# Altium PCB DSP_FPGA.PcbDoc (part 2 of 7) (continued)
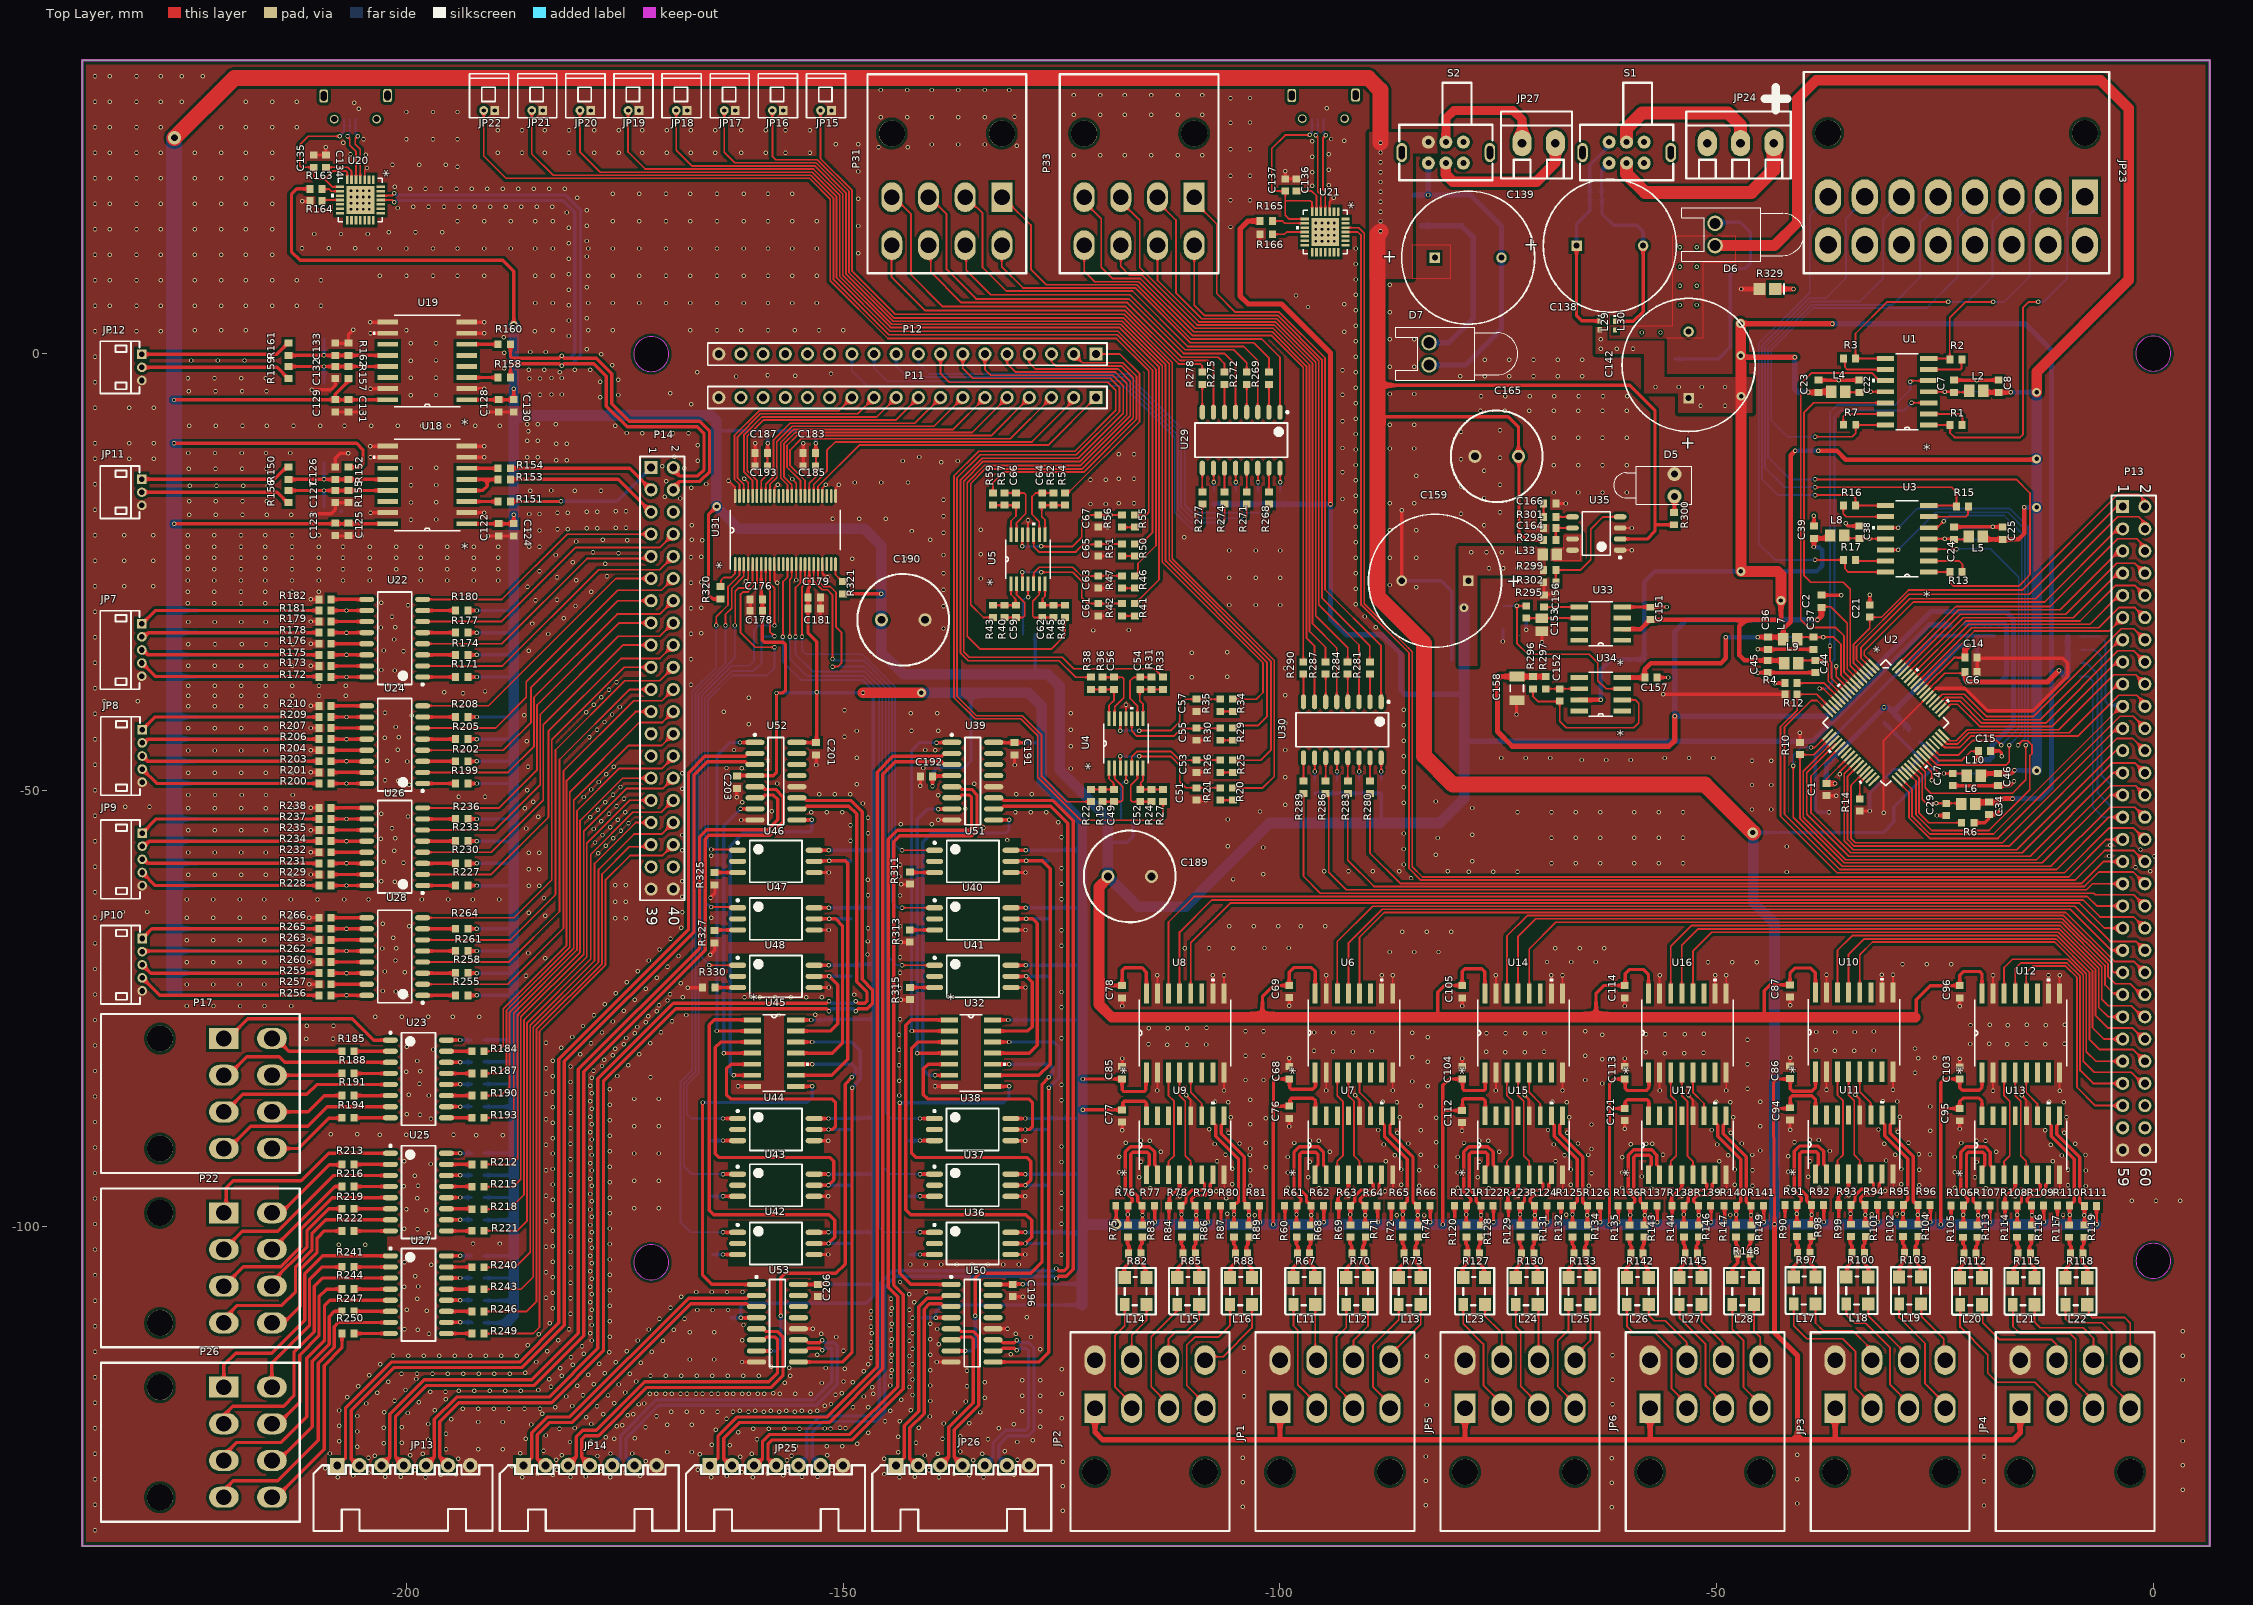
[diagram p0: Top Layer view]
## Nets (pads, with @x,y where several pads share a name; then routed paths per layer and width w, separated by ;. In a path a pad name is that pad's centre, name@x,y a point inside that pad or via, vN(x,y) a via of type N, cw(c..) or ccw(c..) an arc to the next point about the centre after c; other vN are vias at no path point) (continued)
  Bottom Layer w0.61: R276.1@-107.62,-17.235 R273.1@-105.08,-17.235 R270.1@-102.54,-17.235 R267.1@-100,-17.235 v1(-94.221,-17.235) -94.221,-30.328 -92.367,-32.182 -88.354,-32.182 -86.169,-34.366 -86.169,-38.494 -85.669,-38.994 -79.059,-38.994 ; -78.842,-44.374 -38.964,-44.374 -25.64,-31.05 C3.2@-25.179,-31.05 ; C3.2@-25.114,-31.115 L1.1@-23.304,-31.115
  Bottom Layer w1.219: -188.57,-110.973 -187.728,-110.131 -187.728,-108.433 -187.728,-105.816 -187.728,-103.276 -187.728,-78.562 -187.728,-73.584 -187.728,-29.413 v1(-187.728,-18.466) -187.728,-7.214 v1(-187.728,-4.013) v3(-187.728,3.254) ; -187.678,-7.264 -186.775,-7.264 -186.601,-7.091 -165.147,-7.091 -164.567,-7.671 -164.567,-17.462 -161.963,-20.066 -147.574,-20.066 -145.642,-21.998 C190.1@-145.642,-30.48 -145.642,-34.19 -143.116,-36.716 -128.016,-36.716 -126.581,-36.716 -125.235,-38.062 -125.235,-47.683 -119.71,-53.208 -119.71,-55.804 C189.1@-119.71,-59.868 -116.23,-63.348 -110.772,-63.348 -101.171,-53.746 -81.712,-53.746 -78.915,-50.949 -78.915,-38.849 -78.915,-37.022 ; -78.929,-36.906 C163.2@-78.929,-35.057 C161.2@-78.929,-31.721 C160.2@-78.929,-30.307 v3(-78.929,-29.097)
  other v1: -191.977,-65.865 -191.977,-60.912 -191.977,-58.372 -191.977,-55.832 -191.977,-41.608 -191.977,-29.416 -145.656,-27.495 -76.073,-24.587 -74.414,-24.587 -72.754,-24.587 -71.095,-24.587 -78.105,-22.758 -76.352,-22.758 -74.6,-22.758 -72.847,-22.758 -71.095,-22.758
+5V: C16.2 C68.2 C76.1 C77.2 C85.1 C86.2 C94.1 C95.2 C103.1 C104.2 C112.1 C113.2 C121.1 C123.2 C125.2 C129.2 C131.2 C139.1 C140.2 C141.2 C165.1 C168.2 C169.2 C170.2 C171.2 C172.2 C173.2 C174.2 C175.2 C176.1 C177.2 C178.1 C179.1 C180.2 C181.1 C182.2 C184.2 C186.2 C191.2 C192.1 C196.2 C198.1 C201.2 C203.1 C206.1 C207.2 JP1.1 JP2.1 JP3.1 JP4.1 JP5.1 JP6.1 L3.1 R61.2 R62.2 R63.2 R64.2 R65.2 R66.2 R76.2 R77.2 R78.2 R79.2 R80.2 R81.2 R91.2 R92.2 R93.2 R94.2 R95.2 R96.2 R106.2 R107.2 R108.2 R109.2 R110.2 R111.2 R121.2 R122.2 R123.2 R124.2 R125.2 R126.2 R136.2 R137.2 R138.2 R139.2 R140.2 R141.2 R152.2 R157.2 R167.2 R168.2 R169.2 R170.2 R195.2 R196.2 R197.2 R198.2 R223.2 R224.2 R225.2 R226.2 R251.2 R252.2 R253.2 R254.2 R291.1 R298.2 R300.2 R304.1 R306.1 R308.1 R310.1 R312.1 R314.1 R316.1 R318.1 R322.1 R324.1 R326.1 R328.1 S2.3 U6.1 U7.4 U7.16 U8.1 U9.4 U9.16 U10.1 U11.4 U11.16 U12.1 U13.4 U13.16 U14.1 U15.4 U15.16 U16.1 U17.4 U17.16 U18.16 U19.16 U31.7 U31.18 U32.14 U35.2 U36.6 U37.6 U38.6 U39.6 U40.6 U41.6 U42.6 U43.6 U44.6 U45.14 U46.6 U47.6 U48.6 U50.4 U50.16 U51.4 U51.16 U52.4 U52.16 U53.4 U53.16 | length 1808.5
  Top Layer w0.203: -159.392,-25.743 U31.7@-159.392,-24.106 ; -153.892,-25.406 U31.18@-153.892,-24.106 ; C201.2@-153.111,-44.552 C201.2@-153.06,-44.501 ; -88.824,-8.052 -88.015,-7.243 ; C165.1@-72.684,-11.76 C165.1@-72.631,-11.813
  Top Layer w0.254: R157.2@-206.654,-3.124 R157.2@-206.654,-2.873 ; U18.16@-202.159,-19.482 U18.16@-202.133,-19.507 ; C176.1@-159.392,-28.05 C176.1@-159.269,-28.173 ; C178.1@-159.283,-29.457 C178.1@-159.269,-29.443 ; -118.758,-98.704 -118.754,-98.701 ; C77.2@-118.072,-86.587 C77.2@-117.992,-86.507 ; U8.1@-115.354,-82.359 U8.1@-115.303,-82.309 ; -99.991,-124.368 -99.974,-124.384 ; C76.1@-98.895,-86.172 C76.1@-98.84,-86.118 ; -78.805,-124.319 -78.74,-124.384 ; -57.62,-124.371 -57.607,-124.384 ; -36.434,-124.297 -36.347,-124.384
  Top Layer w0.381: v1@-226.695,-5.283 C129.2@-208.178,-5.283 ; v1(-226.644,-10.262) -205.74,-10.262 -205.003,-10.998 -205.003,-12.643 -205.362,-13.002 R152.2@-206.654,-13.002 ; v1(-226.619,-19.482) U18.16@-202.159,-19.482 ; R157.2@-206.654,-3.124 -208.178,-4.648 C129.2@-208.178,-5.283 ; U19.16@-202.159,-5.283 C129.2@-208.178,-5.283 ; C203.1@-162.293,-48.311 -162.166,-48.311 U52.4@-160.032,-48.311 ; v1(-161.734,-110.414) U53.4@-159.994,-110.414 ; U52.4@-160.121,-48.324 -158.027,-48.324 -157.645,-47.942 v1(-157.645,-38.862) -156.921,-38.862 -156.616,-38.557 -156.616,-33.312 -156.892,-33.037 -159.063,-33.037 -159.283,-32.817 v1(-159.283,-30.518) ; C176.1@-159.392,-28.05 -159.392,-25.743 ; v1@-159.283,-30.315 C178.1@-159.283,-29.457 ; C178.1@-159.269,-29.443 C176.1@-159.269,-28.173 ; U45.14@-155.473,-76.289 -155.461,-76.302 v1(-153.657,-76.302) ; U52.16@-155.372,-44.552 C201.2@-153.111,-44.552 ; U53.16@-155.143,-106.578 C206.1@-152.883,-106.578 v1(-151.733,-106.578) ; -153.892,-25.406 -153.892,-26.778 -154.04,-26.925 C179.1@-154.04,-27.927 C181.1@-154.04,-29.197 -154.04,-32.015 -153.06,-32.995 v1(-153.06,-38.773) C201.2@-153.06,-44.501 ; U42.6@-153.372,-100.622 U42.6@-153.346,-100.622 v1(-151.701,-100.622) ; U43.6@-153.372,-93.955 U43.6@-153.346,-93.955 v1(-151.701,-93.955) ; U44.6@-153.372,-87.579 U44.6@-153.346,-87.579 v1(-151.701,-87.579) ; U48.6@-153.346,-70.04 v1(-151.676,-70.04) ; U47.6@-153.346,-63.457 v1(-151.676,-63.457) ; U46.6@-153.346,-56.873 v1(-151.676,-56.873) ; v1(-139.787,-49.524) C192.1@-139.787,-48.412 ; C192.1@-139.725,-48.362 U51.4@-137.465,-48.362 ; v1(-139.395,-110.388) U50.4@-137.655,-110.388 ; U32.14@-132.918,-76.289 -132.905,-76.302 v1(-131.102,-76.302) ; U50.16@-132.855,-106.578 C196.2@-130.594,-106.578 ; U51.16@-132.664,-44.552 C191.2@-130.391,-44.552 v1(-129.254,-44.552) ; U36.6@-130.816,-100.622 v1(-129.146,-100.622) ; U37.6@-130.816,-93.955 v1(-129.146,-93.955) ; U38.6@-130.816,-87.579 v1(-129.146,-87.579) ; U41.6@-130.791,-70.04 v1(-129.121,-70.04) ; U40.6@-130.791,-63.457 v1(-129.121,-63.457) ; U39.6@-130.791,-56.873 v1(-129.121,-56.873) ; C196.2@-130.607,-106.543 v1(-129.457,-106.543) ; v1(-122.582,-86.587) C77.2@-118.072,-86.587 ; v1(-122.58,-83.058) C85.1@-118.072,-83.058 -118.072,-84.315 -117.894,-84.493 -115.532,-84.493 -115.354,-84.315 U8.1@-115.354,-82.359 ; v4(-118.758,-99.72) -118.758,-98.704 ; -118.754,-98.701 R76.2@-118.754,-97.587 ; C77.2@-117.992,-86.507 -117.992,-85.759 -117.843,-85.611 -115.494,-85.611 -115.303,-85.801 U9.16@-115.303,-87.262 ; v1(-114.342,-99.463) R77.2@-114.342,-97.587 ; v1(-112.701,-99.463) R78.2@-112.701,-97.587 ; R78.2@-112.668,-97.549 -112.668,-96.615 -111.493,-95.441 U9.4@-111.493,-94.018 ; v1(-108.253,-99.463) R79.2@-108.253,-97.587 ; v1(-106.758,-99.463) R80.2@-106.758,-97.587 ; v1(-102.31,-99.463) R81.2@-102.31,-97.587 ; v1(-100.774,-99.72) -100.774,-86.208 -100.749,-86.182 ; v1(-99.425,-99.463) R61.2@-99.425,-97.587 ; C76.1@-98.895,-86.172 -100.739,-86.172 -100.749,-86.182 ; C76.1@-98.84,-86.118 -98.84,-85.417 -98.692,-85.268 -96.228,-85.268 -95.923,-85.573 U7.16@-95.923,-87.274 ; U6.1@-95.923,-82.321 -95.923,-83.9 -96.275,-84.252 -98.692,-84.252 -98.895,-84.049 -98.895,-83.054 -100.492,-83.054 -100.749,-83.312 -100.749,-86.182 ; v1(-94.977,-99.463) R62.2@-94.977,-97.587 ; R63.2@-93.339,-97.549 -93.339,-96.615 -92.164,-95.441 U7.4@-92.164,-94.018 ; v1(-93.263,-99.463) R63.2@-93.263,-97.587 ; -88.824,-3.619 -59.957,-3.619 -57.061,-6.515 -57.061,-18.707 ; v1(-88.822,-99.463) R64.2@-88.822,-97.587 ; -88.015,-7.243 -73.885,-7.243 -72.684,-8.444 C165.1@-72.684,-11.76 ; v1(-87.257,-99.463) R65.2@-87.257,-97.587 ; v1(-82.777,-99.463) R66.2@-82.777,-97.587 ; v1(-81.369,-99.72) -81.369,-86.614 ; v1(-79.994,-99.463) R121.2@-79.994,-97.587 ; U15.16@-76.492,-87.274 -76.492,-85.573 -76.746,-85.319 -78.93,-85.319 -79.108,-85.496 -79.108,-86.676 -81.307,-86.676 -81.369,-86.614 ; U14.1@-76.492,-82.321 -76.492,-84.226 -76.644,-84.379 -78.905,-84.379 -79.083,-84.201 -79.083,-83.071 -80.645,-83.071 -81.369,-83.795 -81.369,-86.614 ; v1(-75.546,-99.463) R122.2@-75.546,-97.587 ; R123.2@-73.908,-97.549 -73.908,-96.615 -72.733,-95.441 U15.4@-72.733,-94.018 ; v1(-73.832,-99.463) R123.2@-73.832,-97.587 ; C165.1@-72.631,-11.813 -72.631,-20.434 -71.704,-21.361 R298.2@-69.813,-21.361 ; v1(-69.391,-99.463) R124.2@-69.391,-97.587 ; v1(-67.826,-99.463) R125.2@-67.826,-97.587 ; v1(-63.346,-99.463) R126.2@-63.346,-97.587 ; v1(-62.268,-99.72) -62.268,-86.411 ; v1(-61.248,-99.463) R136.2@-61.248,-97.587 ; U35.2@-61.054,-21.234 -57.963,-21.234 -57.061,-20.333 -57.061,-18.707 ; U17.16@-57.747,-87.274 -57.747,-85.598 -57.925,-85.42 -60.211,-85.42 -60.465,-85.674 -60.465,-86.443 -62.236,-86.443 -62.268,-86.411 ; U16.1@-57.747,-82.321 -57.747,-84.078 -58.048,-84.379 -60.211,-84.379 -60.465,-84.125 -60.465,-83.071 -61.773,-83.071 -62.268,-83.566 -62.268,-86.411 ; -57.06,-19.598 R300.2@-54.864,-19.598 ; -57.06,-18.709 -57.061,-18.707 ; v1(-56.801,-99.463) R137.2@-56.801,-97.587 ; R138.2@-55.163,-97.549 -55.163,-96.615 -53.988,-95.441 U17.4@-53.988,-94.018 ; v1(-55.086,-99.463) R138.2@-55.086,-97.587 ; v1(-50.646,-99.463) R139.2@-50.646,-97.587 ; v1(-49.08,-99.463) R140.2@-49.08,-97.587 ; v1(-44.601,-99.463) R141.2@-44.601,-97.587 ; v1(-43.37,-99.695) -43.497,-86.411 ; v1(-42.173,-99.412) R91.2@-42.173,-97.587 ; U11.16@-38.672,-87.274 -38.672,-85.417 -39.1,-84.988 -41.338,-84.988 -41.567,-85.217 -41.567,-86.443 -43.466,-86.443 -43.497,-86.411 ; U10.1@-38.672,-82.321 -38.672,-84.001 -39.125,-84.455 -41.313,-84.455 -41.567,-84.201 -41.567,-83.071 -43.12,-83.071 -43.497,-83.448 -43.497,-86.411 ; v1(-37.725,-99.437) R92.2@-37.725,-97.561 ; R93.2@-36.062,-97.472 -36.062,-96.539 -34.887,-95.364 U11.4@-34.887,-93.942 ; v1(-36.011,-99.412) R93.2@-36.011,-97.561 ; v1(-31.571,-99.412) R94.2@-31.571,-97.561 ; v1(-30.005,-99.437) R95.2@-30.005,-97.561 ; v1(-25.525,-99.437) R96.2@-25.525,-97.561 ; v1(-24.32,-99.72) -24.32,-86.538 ; v1(-23.148,-99.437) R106.2@-23.148,-97.561 ; U13.16@-19.621,-87.274 -19.621,-85.573 -19.952,-85.242 -21.784,-85.242 -22.162,-85.62 C95.2@-22.162,-86.442 -24.225,-86.442 -24.32,-86.538 ; U12.1@-19.621,-82.321 -19.621,-84.052 -19.923,-84.353 -21.857,-84.353 -22.162,-84.049 C103.1@-22.162,-83.071 -23.927,-83.071 -24.32,-83.464 -24.32,-86.538 ; v1(-18.701,-99.437) R107.2@-18.701,-97.561 ; v1(-16.986,-99.437) R108.2@-16.986,-97.561 -16.986,-96.628 -15.811,-95.453 U13.4@-15.811,-94.031 ; v1(-12.546,-99.437) R109.2@-12.546,-97.561 ; v1(-10.98,-99.437) R110.2@-10.98,-97.561 ; v1@-6.501,-99.695 R111.2@-6.501,-97.587
  Top Layer w0.61: JP2.1@-121.176,-120.752 -121.176,-123.502 -120.294,-124.384 -99.974,-124.384 -78.74,-124.384 -57.607,-124.384 -40.742,-124.384 ; -99.991,-124.368 JP1.1@-99.991,-120.752 ; -78.805,-124.319 JP5.1@-78.805,-120.752 ; -57.62,-124.371 JP6.1@-57.62,-120.752 ; v1(-43.37,-99.695) -43.37,-112.116 -40.742,-114.745 -40.742,-124.384 ; -36.434,-124.297 JP3.1@-36.434,-120.752 ; JP4.1@-15.249,-120.752 -15.249,-123.58 -16.053,-124.384 -36.347,-124.384 -40.742,-124.384
  Top Layer w1.219: v1(-147.752,-38.824) v3(-141.059,-38.824)
  Top Layer w1.829: v5(-226.581,24.701) -219.735,31.547 -89.865,31.547 -88.494,30.175 v1(-88.494,24.155) ; -88.824,-3.619 -88.824,-8.052 -88.824,-27.864 -83.502,-33.185 -83.502,-46.076 -80.213,-49.365 -51.333,-49.365 v4(-45.86,-54.839) ; -88.824,-3.264 -88.824,13.675 v1(-88.494,14.006)
  Bottom Layer w0.203: C182.2@-152.184,-76.289 C182.2@-152.121,-76.225 ; -127.394,-44.552 -127.267,-44.679 ; C171.2@-125.095,-56.743 C171.2@-124.993,-56.845 ; -122.682,-76.302 -122.669,-76.314 ; L3.1@-26.866,-44.482 L3.1@-26.629,-44.482
  Bottom Layer w0.254: v1@-6.515,-99.72 v1(-6.49,-99.695)
  Bottom Layer w0.381: -226.819,-60.884 -226.644,-60.884 R223.2@-210.222,-60.884 ; -226.819,-58.369 -226.644,-58.369 R224.2@-210.222,-58.369 ; -226.819,-55.829 -226.644,-55.829 R225.2@-210.222,-55.829 ; -226.819,-53.289 -226.644,-53.289 R226.2@-210.222,-53.289 ; -226.644,-72.669 -225.831,-73.482 R251.2@-210.047,-73.482 ; -226.644,-70.942 R252.2@-210.047,-70.942 ; -226.644,-68.402 R253.2@-210.047,-68.402 ; -226.644,-65.862 R254.2@-210.047,-65.862 ; -226.644,-49.2 R195.2@-210.047,-49.2 ; -226.644,-46.685 R196.2@-210.047,-46.685 ; -226.644,-44.145 R197.2@-210.047,-44.145 ; -226.644,-41.605 R198.2@-210.047,-41.605 ; -226.644,-37.008 R167.2@-210.047,-37.008 ; -226.644,-34.493 R168.2@-210.047,-34.493 ; -226.644,-31.953 R169.2@-210.047,-31.953 ; -226.644,-29.413 R170.2@-210.047,-29.413 ; C207.2@-162.852,-110.414 v1(-161.734,-110.414) -161.734,-109.164 -161.308,-108.737 -147.396,-108.737 -146.571,-107.912 -146.571,-106.617 ; v1@-157.645,-38.824 v1(-147.752,-38.824) -147.218,-38.824 -146.571,-39.472 -146.571,-56.794 -146.571,-76.225 ; v1(-153.657,-76.302) C182.2@-152.197,-76.302 ; C182.2@-152.121,-76.225 -146.571,-76.225 ; v1(-151.733,-106.578) -146.609,-106.578 -146.571,-106.617 ; v1(-151.701,-100.622) -146.765,-100.622 ; v1(-151.701,-93.955) -146.765,-93.955 ; v1(-151.701,-87.579) -147.78,-87.579 C177.2@-147.715,-87.514 ; v1(-151.676,-70.04) C186.2@-147.755,-70.04 ; v1(-151.676,-63.457) C184.2@-147.755,-63.457 ; v1(-151.676,-56.873) C180.2@-147.755,-56.873 ; C184.2@-147.663,-63.454 -146.648,-63.454 ; C177.2@-147.65,-87.449 C177.2@-147.715,-87.514 ; C186.2@-147.637,-69.911 -146.622,-69.911 ; C180.2@-147.637,-56.743 C180.2@-147.421,-56.959 ; C180.2@-147.529,-56.851 -146.736,-56.851 ; -146.7,-87.514 C177.2@-147.715,-87.514 ; C198.1@-140.907,-110.388 v1(-139.395,-110.388) -139.395,-109.703 -138.633,-108.941 -122.669,-108.941 ; v1(-139.787,-49.524) -139.787,-47.979 -139.198,-47.39 -136.112,-47.39 -135.382,-46.66 -135.382,-38.824 ; v1(-131.102,-76.302) C141.2@-129.642,-76.302 -122.682,-76.302 ; v1(-129.457,-106.543) -122.669,-106.543 ; v1(-129.254,-44.552) -127.394,-44.552 ; v1(-129.146,-100.622) C168.2@-125.225,-100.622 ; v1(-129.146,-93.955) -122.816,-93.955 ; v1(-129.146,-87.579) R308.1@-126.368,-87.579 ; v1(-129.121,-70.04) -122.791,-70.04 ; v1(-129.121,-63.457) -122.791,-63.457 ; v1(-129.121,-56.873) C171.2@-125.2,-56.873 ; R308.1@-126.238,-87.449 R308.1@-126.368,-87.579 ; C168.2@-125.095,-100.492 -124.914,-100.673 -122.669,-100.673 ; C171.2@-124.993,-56.845 -122.686,-56.845 ; -122.816,-87.579 R308.1@-126.368,-87.579 ; v4@-45.796,-54.839 -30.924,-54.839 -29.718,-53.632 -29.718,-51.93 -24.752,-46.965 -24.752,-46.359 C16.2@-25.746,-45.365 L3.1@-26.629,-44.482 ; -146.571,-106.617 -146.571,-98.87 -146.571,-76.225
  Bottom Layer w1.219: v3(-141.059,-38.824) -135.382,-38.824 -128.816,-38.824 -127.267,-40.373 -127.267,-44.679 -127.267,-48.997 -122.686,-53.577 -122.686,-56.845 -122.686,-63.327 ; -122.669,-108.941 -122.669,-106.543 -122.669,-100.673 -122.669,-99.733 -122.669,-99.72 ; -122.669,-63.309 -122.669,-76.314 -122.669,-83.058 -122.669,-99.72 ; v4@-45.796,-54.839 -45.796,-62.814 -43.371,-65.24 v1(-43.37,-99.695) ; v1@-6.515,-99.72 -16.986,-99.72 v1(-24.32,-99.72) -25.526,-99.719 -30.005,-99.713 -31.571,-99.711 -36.011,-99.705 -37.725,-99.703 -42.173,-99.697 v1(-43.37,-99.695) ; -122.669,-99.72 v4(-118.758,-99.72) -108.253,-99.72 -106.758,-99.72 v1(-100.774,-99.72) -87.257,-99.72 -73.832,-99.72 -69.391,-99.72 -61.248,-99.72 -56.8,-99.72 -55.086,-99.717 -50.646,-99.709 -49.08,-99.706 -44.6,-99.697 v1(-43.37,-99.695)
  Bottom Layer w1.524: v5@-226.644,24.701 v5@-226.644,24.714
  Bottom Layer w1.829: -226.644,-72.669 -226.644,-70.942 -226.644,-68.402 -226.644,-65.862 -226.644,-60.884 -226.644,-58.369 -226.644,-55.829 -226.644,-53.289 -226.644,-49.2 -226.644,-46.685 -226.644,-44.145 -226.644,-41.605 -226.644,-37.008 -226.644,-34.493 -226.644,-31.953 -226.644,-29.413 v1(-226.644,-5.309) v5@-226.644,24.701
  other v1: -88.494,15.133 -88.494,16.261 -88.494,17.389 -88.494,18.517 -88.494,19.644 -88.494,20.772 -88.494,21.9 -88.494,23.028
+5Vin: JP27.1 S2.2 | length 14.9
  Top Layer w1.016: S2.2@-81.007,24.219 -81.007,26.918 -80.099,27.826 -73.292,27.826 -72.276,26.81 JP27.1@-72.276,24.092
+12V: C23.1 C34.1 C39.1 C45.1 C142.1 C150.2 C151.2 C167.2 L4.2 L6.2 L8.2 L9.2 L29.2 R303.1 U33.2 U34.7 | length 224.7
  Top Layer w0.203: v2(-47.252,3.429) v2@-47.252,3.531 ; L9.2@-42.6,-35.127 L9.2@-42.281,-35.446
  Top Layer w0.254: U33.2@-60.808,-31.559 U33.2@-60.795,-31.547 ; C151.2@-57.606,-30.443 C151.2@-57.556,-30.443 C151.2@-57.52,-30.48 ; -43.002,-24.943 -42.977,-24.968 ; v1@-39.522,-4.445 v1(-39.511,-4.434) ; C23.1@-38.354,-4.434 C23.1@-38.289,-4.369 ; L8.2@-37.314,-21.147 L8.2@-36.995,-20.828 ; L6.2@-20.409,-51.562 L6.2@-20.217,-51.37
  Top Layer w0.508: U34.7@-65.735,-39.649 v1(-63.271,-39.649) ; U33.2@-60.808,-31.559 -58.722,-31.559 C151.2@-57.606,-30.443 ; C151.2@-57.52,-30.48 -46.66,-30.48 ; v2@-42.625,-28.27 -42.625,-30.23 -42.875,-30.48 -46.66,-30.48 ; L9.2@-42.6,-35.127 C45.1@-44.148,-35.127 -46.813,-35.127 -47.422,-34.519 -47.422,-31.242 -46.66,-30.48 ; v1(-38.862,-22.149) C39.1@-38.862,-21.147 L8.2@-37.314,-21.147
  Top Layer w0.61: v2(-47.252,3.429) v1(-36.741,3.429) ; v2@-47.219,-0.406 v1(-41.046,-0.406) ; v1(-39.511,-4.434) C23.1@-38.354,-4.434 ; C23.1@-38.289,-4.369 L4.2@-36.868,-4.369 ; L6.2@-20.217,-51.37 C34.1@-18.796,-51.37 -17.791,-51.37 -17.374,-50.952 v1(-16.129,-50.952)
  Top Layer w1.016: v2@-47.253,3.531 v2(-47.252,3.429)
  Top Layer w1.219: v2(-47.252,3.429) -47.228,-0.228 -47.219,-1.651 v2(-47.219,-24.943) -43.002,-24.943 ; -42.977,-24.968 -42.625,-25.32 v2@-42.625,-28.27
  Bottom Layer w0.254: C150.2@-58.282,-35.23 C150.2@-58.282,-35.027 ; v1(-38.862,-22.149) v1@-38.815,-22.196
  Bottom Layer w0.508: v1(-63.271,-39.649) -63.271,-36.195 -62.078,-35.001 C150.2@-58.51,-35.001 ; C150.2@-58.282,-35.027 -58.282,-26.151 -57.074,-24.943 v2(-47.219,-24.943) -38.557,-24.943 -37.922,-24.308 -37.922,-22.504 -38.231,-22.196 v1@-38.815,-22.196
  Bottom Layer w0.61: v1(-41.046,-0.406) -41.046,-4.064 -40.677,-4.434 v1(-39.511,-4.434) ; v1@-36.678,3.429 -14.707,3.429 -11.659,0.381 -11.659,-49.632 -12.979,-50.952 v1(-16.129,-50.952)
  other v1: -51.841,-5.969 -49.047,-5.969 -56.998,-3.823 -54.348,-3.823 -51.697,-3.823 -49.047,-3.823 -63.271,0.572 -61.424,0.572 -59.576,0.572 -63.271,1.626
  other v2: -42.647,-28.27 -47.206,-4.877 -47.244,-0.229
+12Vin: JP24.2 S1.2 | length 18
  Top Layer w1.499: S1.2@-60.306,24.219 -60.306,25.8 -58.534,27.572 -48.704,27.572 -47.257,26.124 JP24.2@-47.257,24.092
-12V: C8.1 C25.1 C36.1 C46.1 C142.2 C157.2 C167.1 D6.2 L2.1 L5.1 L7.1 L10.1 L30.2 U34.4 | length 239.9
  Top Layer w0.254: C157.2@-58.256,-37.109 C157.2@-58.231,-37.084 ; v1@-45.136,-32.461 v1@-45.134,-32.463 ; L7.1@-42.619,-32.463 L7.1@-42.365,-32.717 ; L10.1@-19.749,-48.336 L10.1@-19.493,-48.081 ; L5.1@-19.52,-20.955 L5.1@-19.201,-21.274 ; L2.1@-19.473,-4.242 L2.1@-19.281,-4.434 ; v1(-16.343,-4.434) v1@-16.332,-4.445
  Top Layer w0.508: U34.4@-60.808,-37.109 C157.2@-58.256,-37.109 ; C157.2@-58.231,-37.084 -58.231,-36.158 -57.531,-35.458 -49.505,-35.458 -48.946,-34.9 v1(-48.946,-32.461) ; v1@-45.134,-32.463 C36.1@-44.105,-32.463 L7.1@-42.619,-32.463 ; L7.1@-42.365,-32.717 -42.365,-31.545 -41.529,-30.709 -41.529,-11.633 v1(-41.021,-11.125) ; v1(-38.379,-11.125) -36.22,-11.125 -35.204,-12.141 v2@-13.36,-12.141 ; L10.1@-19.493,-48.081 C46.1@-17.765,-48.081 -16.255,-48.081 v1(-15.9,-47.727) ; L2.1@-19.281,-4.434 C8.1@-17.695,-4.434 v1(-16.343,-4.434) ; L5.1@-19.201,-21.274 C25.1@-17.234,-21.274 -15.432,-21.274 -14.757,-20.599 v1(-14.757,-17.602)
  Top Layer w1.219: D6.2@-50.178,12.37 -43.383,12.37 -40.767,14.986 -40.767,29.118 -38.579,31.305 -6.037,31.305 -2.832,28.1 -2.832,8.42 -13.36,-2.108 v2(-13.36,-4.427)
  Bottom Layer w0.254: v1(-16.343,-4.434) v1@-16.336,-4.427
  Bottom Layer w0.508: v1(-48.946,-32.461) v1(-45.285,-32.461) ; v1(-41.021,-11.125) v1(-38.379,-11.125) ; v1@-16.336,-4.427 v2(-13.36,-4.427) ; v1(-15.9,-47.727) v2@-13.36,-47.727 ; v1(-14.757,-17.602) v2(-13.36,-17.602)
  Bottom Layer w1.219: v2@-13.36,-47.727 v2(-13.36,-17.602) v2(-13.36,-12.065) v2(-13.36,-4.427)
  other v1: -58.572,2.413 -56.426,2.413 -54.204,5.563 -52.261,5.563 -54.204,7.764 -52.261,7.764 -54.204,9.965 -52.261,9.965 -54.204,12.167 -52.261,12.167
  other v2: -13.36,-47.752
-12Vin: JP24.3 S1.5 | length 23.1
  Top Layer w1.499: S1.5@-60.306,21.819 -60.306,20.555 -58.204,18.453 -46.038,18.453 -43.447,21.044 JP24.3@-43.447,24.092
A0: P13.25 U2.20 | length 51.5
  Top Layer w0.203: U2.20@-36.403,-44.716 -39.681,-47.994 -39.681,-52.741 -34.877,-57.544 -14.11,-57.544 -4.572,-48.006 P13.25@-3.505,-48.006
A1: P13.26 U2.21 | length 53.8
  Top Layer w0.203: U2.21@-35.857,-45.027 -39.195,-48.366 -39.195,-52.591 -34.623,-57.163 -14.999,-57.163 -4.699,-46.863 -2.108,-46.863 P13.26@-0.965,-48.006
A2: P13.23 U2.26 | length 46.5
  Top Layer w0.203: U2.26@-34.089,-46.795 -34.089,-46.826 -35.385,-48.122 -35.385,-55.766 -34.344,-56.807 -15.659,-56.807 -4.318,-45.466 P13.23@-3.505,-45.466
A3: P13.24 U2.27 | length 49
  Top Layer w0.203: U2.27@-33.736,-47.149 -35.004,-48.417 -35.004,-55.639 -34.255,-56.388 -16.51,-56.388 -4.191,-44.069 -2.362,-44.069 P13.24@-0.965,-45.466
A4: P13.21 U2.29 | length 45.1
  Top Layer w0.203: U2.29@-33.028,-47.856 -34.623,-49.45 -34.623,-55.512 -34.128,-56.007 -17.272,-56.007 -4.191,-42.926 P13.21@-3.505,-42.926
AGND: C2.1 C7.2 C8.2 C11.2 C12.2 C13.2 C15.1 C20.2 C21.2 C22.2 C23.2 C24.2 C25.2 C26.2 C27.2 C28.2 C29.2 C30.2 C31.2 C32.2 C33.2 C34.2 C35.2 C36.2 C37.2 C38.2 C39.2 C40.2 C41.2 C42.2 C43.2 C44.2 C45.2 C46.2 C47.2 C150.1 C151.1 C157.1 JP23.2 JP23.4 JP23.6 JP23.8 JP23.10 JP23.12 JP23.14 JP23.16 JP24.1 JP27.2 R4.2 R6.2 R329.1 S2.5 U2.9 U2.40 U33.4 | length 106.9
  Top Layer w0.203: R4.2@-42.181,-37.732 R4.2@-42.167,-37.746 ; C39.2@-38.876,-19.761 C39.2@-38.862,-19.747 ; C2.1@-37.998,-27.646 C2.1@-37.984,-27.661 ; v1(-36.297,-35.814) -36.297,-36.994 U2.9@-34.796,-38.494 ; C21.2@-32.478,-28.791 C21.2@-32.464,-28.777 ; U2.40@-26.849,-46.442 -25.375,-47.916 v1(-25.375,-48.844) ; C24.2@-22.822,-19.874 C24.2@-22.785,-19.837 ; C8.2@-18.076,-3.034 C8.2@-17.949,-3.161 ; C25.2@-17.271,-19.837 C25.2@-17.234,-19.874
  Top Layer w0.381: U33.4@-60.808,-29.019 -55.74,-29.019 v1@-55.728,-29.007 ; C157.1@-56.831,-37.084 v1(-55.55,-37.084) ; v1(-45.328,-36.527) C45.2@-44.148,-36.527 C44.2@-38.687,-36.527 ; v1(-45.285,-33.863) C36.2@-44.105,-33.863 C37.2@-38.898,-33.863 ; v1(-43.361,-37.732) R4.2@-42.181,-37.732 ; C39.2@-38.862,-19.747 v1(-38.862,-18.567) ; C23.2@-38.354,-3.034 v1(-36.005,-3.034) C22.2@-33.655,-3.034 ; C2.1@-37.984,-27.661 v1(-35.725,-27.661) ; v1(-35.23,-19.431) -34.914,-19.747 C38.2@-33.655,-19.747 ; C21.2@-32.464,-28.777 v1(-32.464,-27.597) ; v1(-24.816,-52.883) -23.725,-52.883 C29.2@-23.711,-52.897 ; C47.2@-22.972,-49.481 C46.2@-17.765,-49.481 -16.461,-49.481 v1(-15.951,-48.971) ; C7.2@-22.818,-3.034 C8.2@-18.076,-3.034 ; C24.2@-22.785,-19.837 v1(-18.364,-19.837) C25.2@-17.271,-19.837 ; R6.2@-20.536,-53.721 -19.279,-53.721 -18.828,-53.27 -18.828,-52.802 C34.2@-18.796,-52.77 -18.036,-52.77 v1(-17.488,-52.222) ; C15.1@-18.629,-45.491 -17.658,-45.491 -17.374,-45.776 v1(-17.374,-46.101)
  Top Layer w0.61: R329.1@-43.296,7.391 v1(-41.199,7.391)
  Top Layer w1.219: S2.5@-81.007,21.819 -81.007,20.504 -80.188,19.685 -70.625,19.685 -68.466,21.844 JP27.2@-68.466,24.092
  Bottom Layer w0.203: C35.2@-33.655,-19.747 C35.2@-33.641,-19.761 ; C12.2@-19.535,-3.034 C12.2@-19.473,-3.096 ; C28.2@-19.52,-19.874 C28.2@-19.483,-19.837
  Bottom Layer w0.381: v1(-45.328,-36.527) C40.2@-38.687,-36.527 ; v1(-45.285,-33.863) C32.2@-38.898,-33.863 ; v1(-36.005,-3.034) C20.2@-33.655,-3.034 ; v1(-35.23,-19.431) -34.914,-19.747 C35.2@-33.655,-19.747 ; C26.2@-22.822,-19.874 C28.2@-19.52,-19.874 ; C11.2@-22.818,-3.034 C12.2@-19.535,-3.034 ; C28.2@-19.483,-19.837 v1(-18.364,-19.837)
  other v1: -55.728,-29.019 -20.218,-3.048
CAN_N: P14.4 R160.1 U20.25 | length 80.7
  Top Layer w0.203: U20.25@-202.984,17.59 -201.659,17.59 v1(-201.405,17.335)
  Top Layer w0.381: R160.1@-188.112,1.067 -188.112,-0.298 -187.889,-0.521 -182.528,-0.521 -182.274,-0.267 v1(-182.245,-0.267) -182.216,-0.267 -181.962,-0.521 -178.294,-0.521 -176.499,-2.315 -176.499,-5.749 -174.489,-7.76 -166.463,-7.76 -165.316,-8.906 -165.316,-13.538 -166.421,-14.643 -168.768,-14.643 -169.469,-15.343 P14.4@-169.469,-15.596
  Bottom Layer w0.381: v1(-201.405,17.335) -201.372,17.335 -201.186,17.522 -182.05,17.522 -180.734,16.205 -180.734,0.064 -181.318,-0.521 -181.962,-0.521 -182.216,-0.267 v1(-182.245,-0.267)
CAN_P: P14.2 R158.1 U20.26 | length 80.7
  Top Layer w0.203: U20.26@-202.984,18.089 -201.663,18.089 v1(-201.409,18.343)
  Top Layer w0.381: R158.1@-188.112,-2.743 -188.112,-1.379 -187.889,-1.156 -182.528,-1.156 -182.274,-1.41 v1(-182.245,-1.41) -182.216,-1.41 -181.962,-1.156 -178.557,-1.156 -177.134,-2.578 -177.134,-6.012 -174.752,-8.395 -166.726,-8.395 -165.951,-9.169 -165.951,-13.275 -166.684,-14.008 -168.768,-14.008 -169.469,-13.308 P14.2@-169.469,-13.056
  Bottom Layer w0.381: v1(-201.409,18.343) -201.377,18.343 -201.191,18.157 -181.787,18.157 -180.099,16.468 -180.099,-0.2 -181.055,-1.156 -181.962,-1.156 -182.216,-1.41 v1(-182.245,-1.41)
D0: P13.20 U2.46 | length 27.3
  Top Layer w0.203: U2.46@-24.727,-44.32 -24.673,-44.32 -23.896,-45.098 -22.177,-45.098 -20.856,-43.777 -8.598,-43.777 -3.937,-39.116 -1.905,-39.116 -0.965,-40.056 P13.20@-0.965,-40.386
D1: P13.17 U2.47 | length 24
  Top Layer w0.203: U2.47@-24.374,-43.967 -23.623,-44.717 -22.431,-44.717 -21.136,-43.422 -9.64,-43.422 -4.064,-37.846 P13.17@-3.505,-37.846
D2: P13.18 U2.48 | length 26.9
  Top Layer w0.203: U2.48@-24.02,-43.613 -23.297,-44.336 -22.558,-44.336 -21.288,-43.066 -10.808,-43.066 -4.521,-36.779 -2.032,-36.779 P13.18@-0.965,-37.846
D3: P13.15 U2.49 | length 25
  Top Layer w0.203: U2.49@-24.02,-40.969 -23.196,-40.145 -22.426,-40.145 -19.886,-42.685 -11.57,-42.685 -4.191,-35.306 P13.15@-3.505,-35.306
D4: P13.16 U2.50 | length 28.8
  Top Layer w0.203: U2.50@-24.374,-40.615 -23.522,-39.764 -22.172,-39.764 -19.632,-42.304 -12.332,-42.304 -4.064,-34.036 -2.235,-34.036 P13.16@-0.965,-35.306
D5: P13.13 U2.51 | length 26.4
  Top Layer w0.203: U2.51@-24.727,-40.262 -23.849,-39.383 -21.923,-39.383 -19.383,-41.923 -12.967,-41.923 -3.81,-32.766 P13.13@-3.505,-32.766
D6: P13.14 U2.52 | length 30.2
  Top Layer w0.203: U2.52@-25.081,-39.908 -24.175,-39.002 -21.669,-39.002 -19.129,-41.542 -13.701,-41.542 -3.655,-31.496 -2.235,-31.496 P13.14@-0.965,-32.766
D7: P13.9 U2.59 | length 28.1
  Top Layer w0.203: U2.59@-27.556,-37.433 -21.123,-31.001 -7.252,-31.001 -3.937,-27.686 P13.9@-3.505,-27.686
D8: P13.10 U2.60 | length 31.8
  Top Layer w0.203: U2.60@-27.909,-37.08 -21.45,-30.62 -8.395,-30.62 -4.318,-26.543 -2.108,-26.543 P13.10@-0.965,-27.686
D9: P13.7 U2.61 | length 29.7
  Top Layer w0.203: U2.61@-28.263,-36.726 -21.776,-30.239 -9.157,-30.239 -4.064,-25.146 P13.7@-3.505,-25.146 P13.7@-3.632,-25.019
D10: P13.8 U2.62 | length 33.2
  Top Layer w0.203: U2.62@-28.616,-36.373 -22.089,-29.845 -10.033,-29.845 -4.191,-24.003 -2.108,-24.003 P13.8@-0.965,-25.146
D11: P13.5 U2.63 | length 30.5
  Top Layer w0.203: U2.63@-28.97,-36.019 -22.288,-29.337 -10.668,-29.337 -4.191,-22.86 P13.5@-4.191,-22.606
D12: P13.6 U2.64 | length 35.2
  Top Layer w0.203: U2.64@-29.324,-35.666 -22.614,-28.956 -11.811,-28.956 -4.064,-21.209 -1.905,-21.209 -1.055,-22.059 -1.055,-22.516 P13.6@-0.965,-22.606
D13: P13.3 U2.1 | length 37.5
  Top Layer w0.203: U2.1@-31.968,-35.666 -33.099,-34.534 -33.099,-34.049 -27.498,-28.448 -12.446,-28.448 -4.064,-20.066 P13.3@-3.505,-20.066
D14: P13.4 U2.2 | length 42.7
  Top Layer w0.203: U2.2@-32.321,-36.019 -33.48,-34.86 -33.48,-33.668 -27.879,-28.067 -13.462,-28.067 -4.064,-18.669 -1.651,-18.669 -0.762,-19.558 -0.762,-19.863 P13.4@-0.965,-20.066
D15: P13.1 U2.3 | length 40.5
  Top Layer w0.203: U2.3@-32.675,-36.373 -33.988,-35.059 -33.988,-33.541 -28.006,-27.559 -14.224,-27.559 -4.191,-17.526 P13.1@-3.505,-17.526
DAC_BUSY: P13.29 R9.1 U2.16 | length 80.6
  Top Layer w0.203: U2.16@-37.271,-40.969 -38.514,-39.726 -39.162,-39.726 -42.243,-42.807 -42.243,-52.718 -35.893,-59.068 -11.062,-59.068 -5.08,-53.086 P13.29@-3.505,-53.086
  Bottom Layer w0.203: R9.1@-8.396,-36.97 -7.404,-36.97 -6.934,-37.44 -6.934,-51.918 -5.766,-53.086 P13.29@-3.505,-53.086